# Altium PCB PCB_Amplifier.PcbDoc (part 2 of 2) (continued)
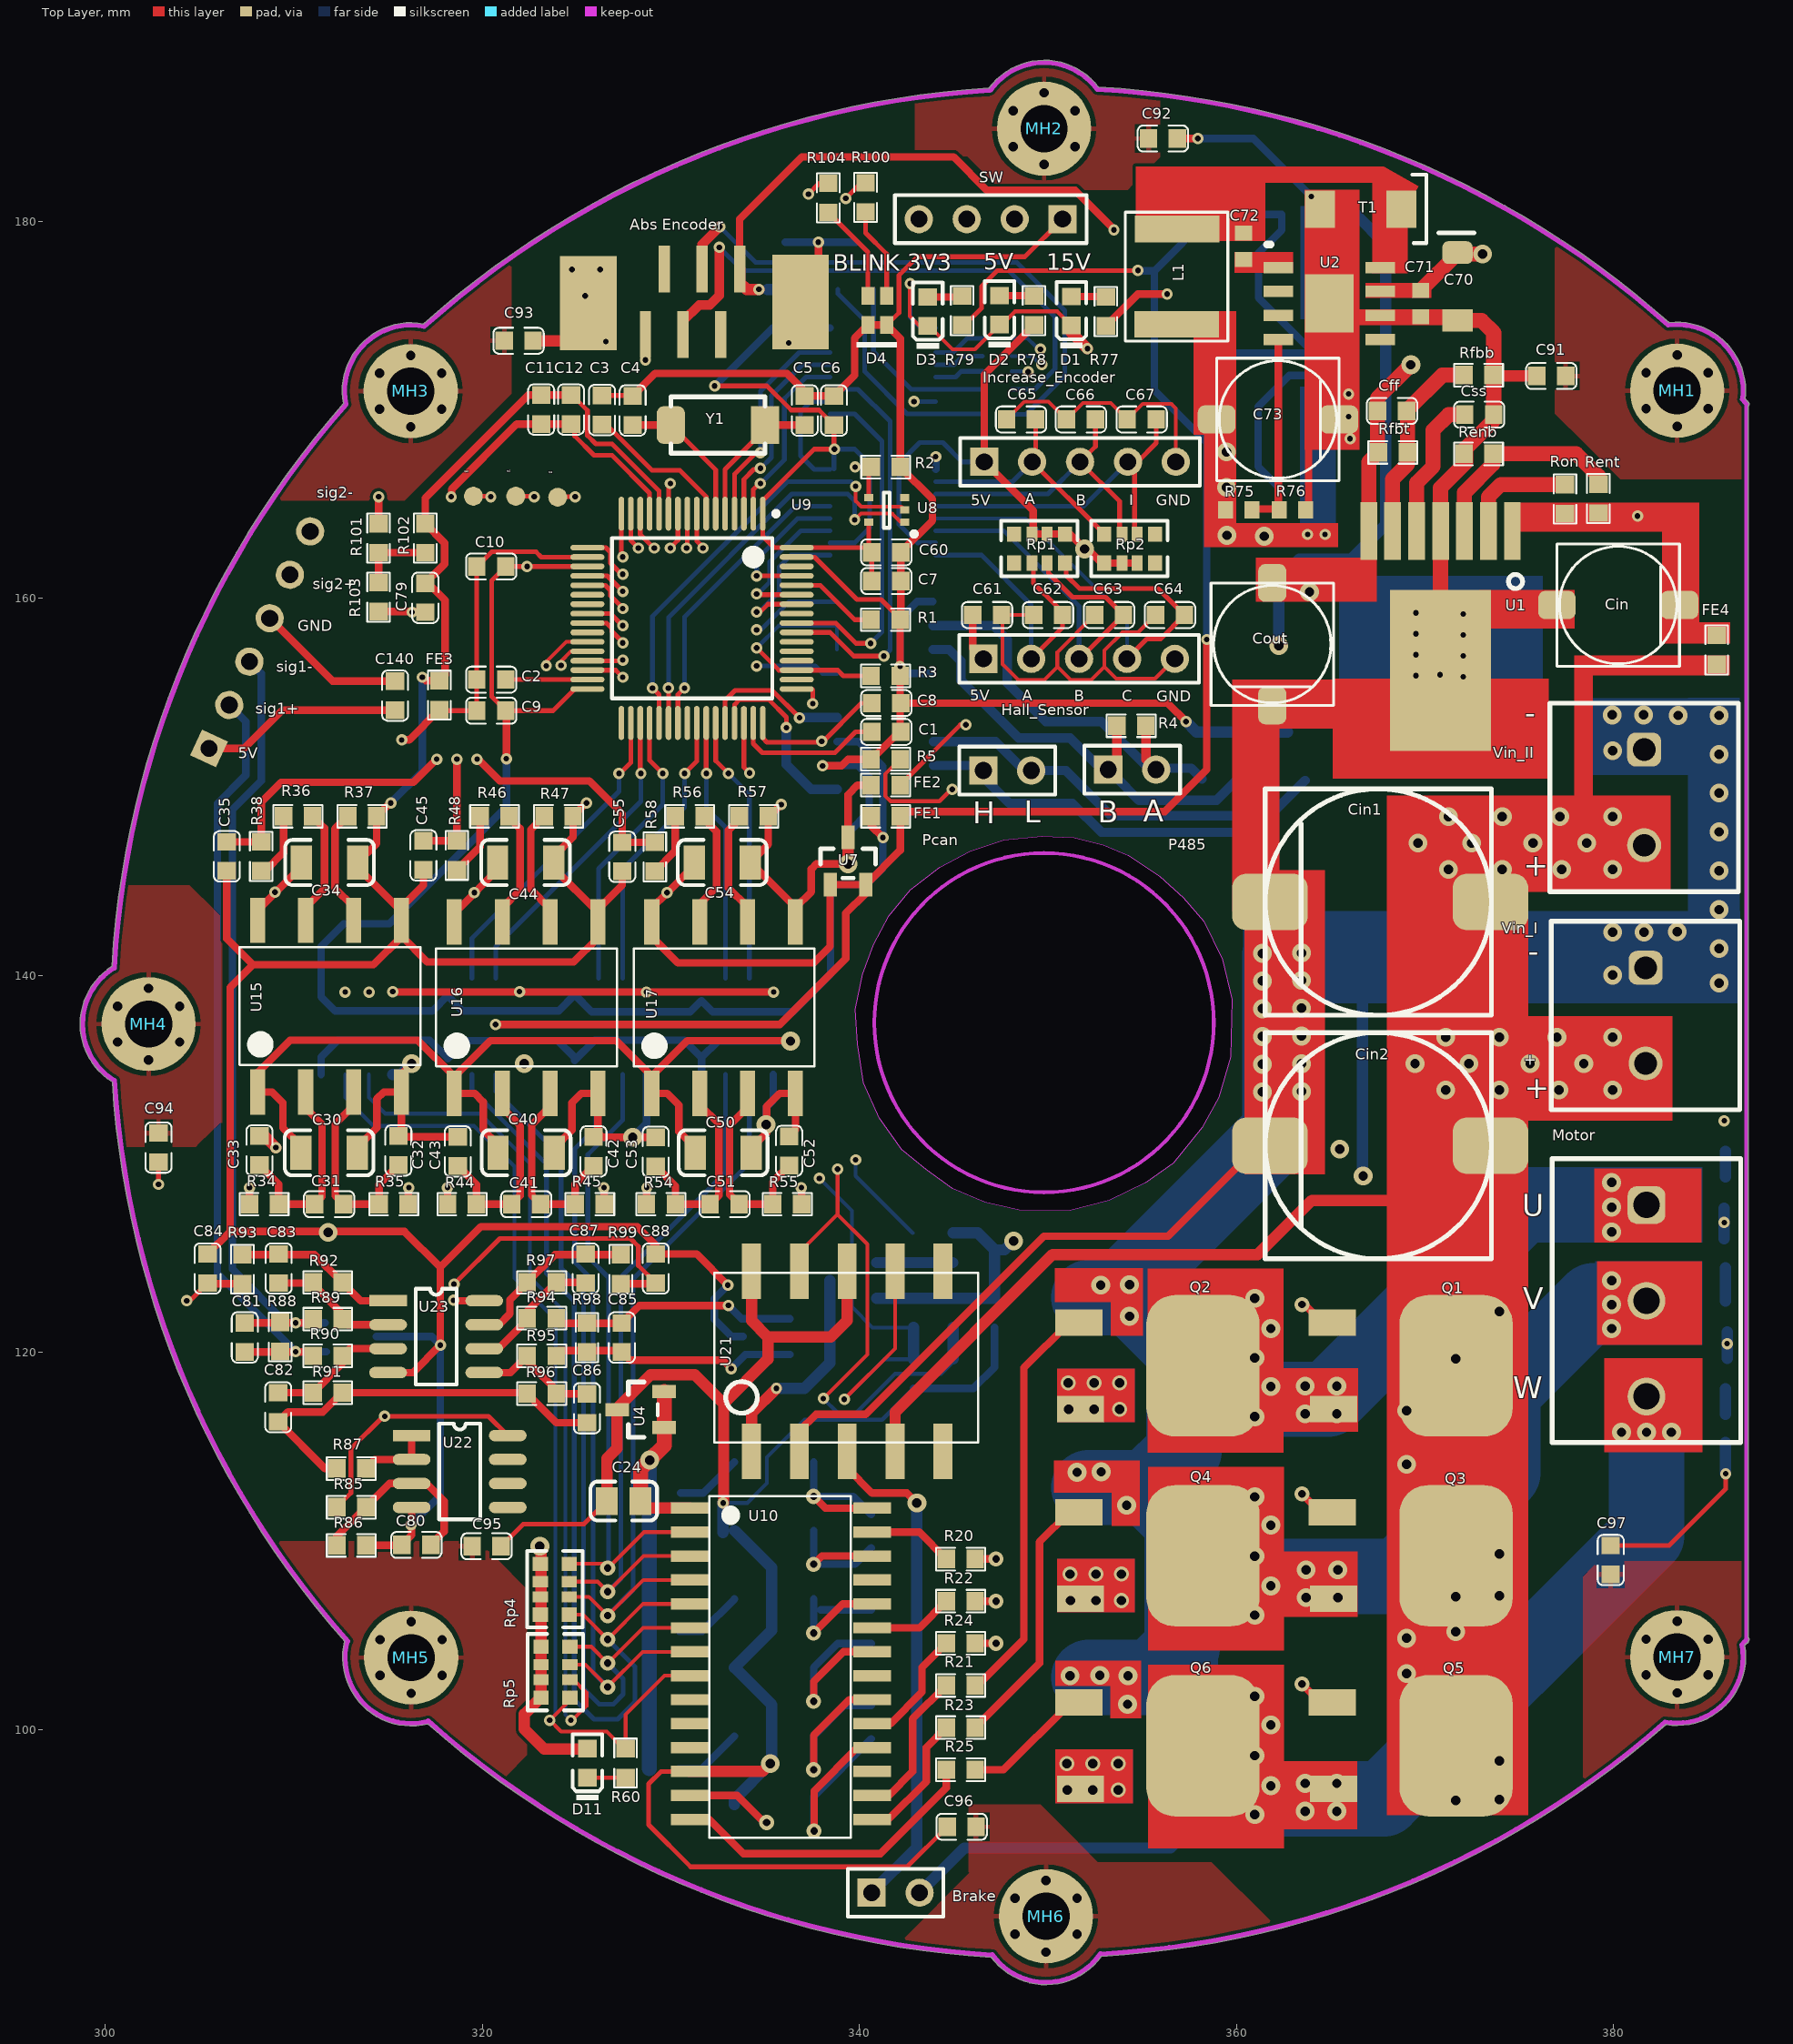
[diagram p0: Top Layer view]
## Nets (pads, with @x,y where several pads share a name; then routed paths per layer and width w, separated by ;. In a path a pad name is that pad's centre, name@x,y a point inside that pad or via, vN(x,y) a via of type N, cw(c..) or ccw(c..) an arc to the next point about the centre after c; other vN are vias at no path point) (continued)
NetR56_2: R56.2 R58.1 | length 3.4
  Top Layer w0.4: R58.1@329.15,145.53 330.23,146.61 R56.2@330.23,148.45
NetR57_1: R57.1 U17.6 | length 5.5
  Top Layer w0.4: R57.1@333.63,148.45 333.63,148.28 333.05,147.7 333.05,144.65 U17.6@334.07,143.63
NetR75_1: R75.1 R76.2 U2.4 | length 10.3
  Top Layer w0.4: R75.1@360.875,164.75 362.225,164.75 U2.4@362.225,173.745
NetR81_1: R81.1 U19.16 U20.2 | length 12.2
  Bottom Layer w0.25: U20.2@338.85,176.4 338.85,176.175 340.275,174.75 340.275,172.05 342.525,169.8 U19.16@344.05,169.8 R81.1@346.555,169.8
NetR87_1: R87.1 U22.1 U22.2 | length 3.9
  Top Layer w0.4: R87.1@313.82,113.85 314.3,114.33 U22.2@316.25,114.33 U22.1@316.25,115.6
NetR100_2: R100.2 U9.9 | length 26
  Top Layer w0.25: v1@330.875,162.675 U9.9@330.875,164.5 ; v1(339.275,181.225) 340.095,182.045 R100.2@340.325,182.045
  VDD w0.25: v1(330.837,162.675) 333.975,165.812 333.975,177.125 338.075,181.225 v1(339.275,181.225)
NetR101_1: R101.1 R102.2 R103.2 | length 4.1
  Top Layer w0.4: R103.2@314.5,160.845 R101.1@314.5,162.43 R102.2@316.975,162.43
NetR104_2: R104.2 U9.10 | length 25.1
  Top Layer w0.25: v1@329.975,162.7 330.375,163.1 U9.10@330.375,164.5 ; v1(337.3,181.45) 337.87,182.02 R104.2@338.35,182.02
  VDD w0.25: v1(329.975,162.675) 333.425,166.125 333.425,177.575 v1(337.3,181.45)
NetRenb_2: Renb.2 Rent.2 U1.3 | length 11.2
  Top Layer w0.8: U1.3@372.095,163.575 372.095,165.62 373.61,167.135 Renb.2@373.61,167.675 378.025,167.675 379.2,166.5 Rent.2@379.2,166.07
NetRon_2: Ron.2 U1.2 | length 6.1
  Top Layer w0.8: U1.2@373.365,163.575 373.365,165.39 374.02,166.045 Ron.2@377.425,166.045
NetRp3_1: Rp3.1 U19.14 U20.1 | length 9.9
  Bottom Layer w0.25: U20.1@340.75,176.4 340.75,173.1 342.75,171.1 U19.14@344.05,171.1 Rp3.1@346.53,171.1
NetRp3_2: Rp3.2 U19.13 | length 2.6
  Bottom Layer w0.25: U19.13@344.05,171.75 345.1,171.75 345.4,172.05 Rp3.2@346.53,172.05
NetRp3_3: Rp3.3 U19.12 | length 2.7
  Bottom Layer w0.25: U19.12@344.05,172.4 345.025,172.4 345.475,172.85 Rp3.3@346.53,172.85
NetRp3_4: Rp3.4 U19.11 | length 2.8
  Bottom Layer w0.25: U19.11@344.05,173.05 344.975,173.05 345.725,173.8 Rp3.4@346.53,173.8
Nettp3_1: tp3.1 U9.8 | length 10.6
  Top Layer w0.25: tp3.1@324.112,165.4 v1(324.925,165.4) ; U9.8@331.375,164.5 331.375,163.05 v1@331.7,162.725
  GND w0.25: v1(324.925,165.4) 326.675,163.65 330.725,163.65 v1(331.7,162.675)
NetU9_2: U9.2 U19.4 | length 9.7
  Top Layer w0.25: U9.2@334.375,164.5 334.375,165.775 v1@334.725,166.125
  Bottom Layer w0.25: v1(334.75,166.1) 334.765,166.1 336.025,167.36 336.025,170.6 337.175,171.75 U19.4@338.45,171.75
NetU9_3: U9.3 U19.5 | length 10.7
  Top Layer w0.25: U9.3@333.875,164.5 333.875,166.325 334.4,166.85 v1@334.625,166.85
  Bottom Layer w0.25: v1(334.75,166.913) 334.765,166.913 335.335,167.483 335.335,170.76 336.975,172.4 U19.5@338.45,172.4
NetU9_4: U9.4 U19.6 | length 11.7
  Top Layer w0.25: U9.4@333.375,164.5 333.375,166.6 334.45,167.675 v1@334.725,167.675
  Bottom Layer w0.25: v1(334.75,167.725) 334.75,171 336.8,173.05 U19.6@338.45,173.05
NetU9_27: U9.27 U14.2 | length 26.4
  Top Layer w0.2: v1@323.492,156.433 v1(323.391,156.433) 323.391,156.641 324.45,157.7 U9.27@325.575,157.7
  VDD w0.2: v1(312.725,139.125) 314.1,140.5 317.1,140.5 320.3,143.7 320.3,153.342 v1(323.391,156.433)
NetU9_28: U9.28 U14.3 | length 24.7
  Top Layer w0.2: v1(324.175,156.45) 324.175,156.675 324.7,157.2 U9.28@325.575,157.2
  VDD w0.2: v1(314,139.125) 314.95,140.075 317.184,140.075 320.66,143.551 320.66,152.875 324.175,156.39 v1(324.175,156.45)
NetU9_44: U9.44 U26.4 | length 8
  Top Layer w0.25: U9.44@332.875,153.4 332.875,154.6 333.4,155.125 335.375,155.125 v1(336.825,153.675)
  Bottom Layer w0.5: v1@336.835,153.685 U26.4@338.825,153.685
NetU9_45: U9.45 U26.1 | length 10
  Top Layer w0.25: U9.45@333.375,153.4 333.375,154.365 333.66,154.65 335.175,154.65 336.125,153.7 v1(336.125,153.15)
  Bottom Layer w0.5: v1(336.125,153.15) 336.125,151.2 337.45,149.875 U26.1@338.825,149.875
OPEN_SIG: C152.2 R73.1 Rp3.5 U21.7 | length 80.2
  Top Layer w0.2: v1(339.2,117.525) 341.895,120.22 U21.7@341.895,124.325
  VDD w0.2: v1(337.883,129.242) 337.883,131.433 334.055,135.261 334.055,145.898 342.72,154.563 342.72,168.594 342.715,168.599 345.301,171.185 346.725,171.185 348.765,173.225 v1(349.6,173.225)
  Bottom Layer w0.2: v1(337.883,129.242) 339.6,127.525 339.6,122.425 340.695,121.33 R73.1@342.875,121.33 ; v1(339.2,117.525) 341.32,119.645 C152.2@342.875,119.645 ; Rp3.5@348.07,173.8 348.925,173.8 v1@349.35,173.375
  Bottom Layer w0.6: C152.2@342.875,119.645 R73.1@342.875,121.33
REF_165: C82.1 C86.2 R87.2 R91.1 R96.2 | length 21.8
  Top Layer w0.4: R87.2@312.28,113.85 311.655,113.85 C82.1@309.175,116.33 309.695,116.85 311.545,116.85 R91.1@312.57,117.875 322.33,117.875 R96.2@322.38,117.825 323.925,116.28 C86.2@325.55,116.28
RS485_SIG: R3.1 U9.51 U27.2 U27.3 | length 13
  Top Layer w0.25: v1(334.55,157.38) 335.73,156.2 U9.51@336.675,156.2 338.85,156.2 339.15,155.9 340.7,155.9 R3.1@340.85,155.75
  Bottom Layer w0.2: v1(334.55,157.38) 335.735,158.565 U27.3@338.8,158.565 U27.2@338.8,157.295
SEN_1_RAW: Q2.3 R26.2 R54.1 | length 27.5
  Top Layer w0.4: R54.1@328.705,127.875 v1@328.705,128.73
  GND w0.4: v1(328.725,128.75) 335.4,128.75 341.8,122.35 347.125,122.35 v3(351.075,118.4)
  other v3: 351.1,117 352.45,117 353.8,117 352.45,118.4 353.8,118.4
SEN_2_RAW: Q4.3 R27.2 R44.1 | length 46.4
  Top Layer w0.4: R44.1@318.155,127.875 v1@318.155,128.745
  GND w0.4: v1(318.15,128.75) 319.337,127.563 319.426,127.474 319.992,126.908 320.275,126.625 334.375,126.625 340.6,120.4 345.925,120.4 349.15,117.175 349.15,111.825 351.175,109.8 v3(351.175,108.25)
  other v3: 351.2,106.85 352.55,106.85 353.9,106.85 352.55,108.25 353.9,108.25
SEN_3_RAW: Q6.3 R28.2 R34.1 | length 65.5
  Top Layer w0.4: R34.1@307.655,127.875 v1@307.655,128.745
  GND w0.4: v1(307.65,128.75) 311.575,124.825 333.3,124.825 339.575,118.55 345.325,118.55 347.475,116.4 347.475,111.45 349.05,109.875 349.05,101.225 351,99.275 v3(351,98.2)
  other v3: 351.025,96.8 352.375,96.8 353.725,96.8 352.375,98.2 353.725,98.2
SIG_1_+: "P torque.2" C81.1 R88.1 R90.1 U24.1 | length 42.2
  Top Layer w0.4: C81.1@307.4,120.035 R90.1@310.95,120.035
  Bottom Layer w0.4: 306.573,154.352 307.45,153.475 307.45,150.625 305.95,149.125 305.95,124.2 v1(310.1,120.05) U24.1@311.725,120.05
SIG_1_-: "P torque.3" C81.2 R88.2 R89.1 U24.2 | length 42.6
  Top Layer w0.4: C81.2@307.4,121.575 v1(310.1,121.575) R89.1@310.75,121.575
  Bottom Layer w0.4: 307.647,156.654 308.275,156.026 308.275,150.325 306.75,148.8 306.75,124.425 309.6,121.575 v1(310.1,121.575) U24.2@311.65,121.575
SIG_2_+: "P torque.5" C85.1 R95.2 R98.1 U25.2 | length 79.8
  Top Layer w0.4: R95.2@324.095,120.1 C85.1@327.37,120.1 ; C85.1@327.4,120.03 327.83,119.6 332.75,119.6 v1(333.2,119.15)
  GND w0.4: 309.794,161.258 310.925,160.127 310.925,136.9 306.175,132.15 306.175,127 314.025,119.15 v1(333.2,119.15)
  Bottom Layer w0.4: v1(333.2,119.15) 333.95,119.9 U25.2@336.325,119.9
SIG_2_-: "P torque.6" C85.2 R94.2 R98.2 U25.1 | length 81.8
  Top Layer w0.4: R94.2@323.92,121.55 C85.2@327.145,121.55 ; C85.2@327.4,121.57 328.33,122.5 v1(333.05,122.5)
  GND w0.4: 310.867,163.56 311.775,162.652 311.775,136.45 306.99,131.665 306.99,127.21 314.46,119.74 330.29,119.74 v1(333.05,122.5)
  Bottom Layer w0.4: v1(333.05,122.5) 333.75,121.8 U25.1@336.325,121.8
SPI1_CLK: U9.55 U19.3 | length 21.6
  Top Layer w0.25: U9.55@336.675,158.2 338.45,158.2 339.7,156.95 v1(341.3,156.95)
  Bottom Layer w0.25: U19.3@338.45,171.1 339.925,171.1 341.625,169.4 341.625,157.275 v1(341.3,156.95)
SPI1_MISO: U9.56 U19.1 | length 18.7
  Top Layer w0.25: U9.56@336.675,158.7 338.75,158.7 339.825,157.625 v1(340.6,157.625)
  Bottom Layer w0.25: U19.1@338.45,169.8 339.75,169.8 341.2,168.35 341.2,158.225 v1(340.6,157.625)
SPI1_MOSI: U9.57
SSI_CLK: "Abs Encoder.4" Rp3.8 | length 30.6
  Top Layer w0.5: 330.65,174 330.65,174.725 331.5,175.575 332.075,175.575 332.575,176.075 v1(332.575,178.625)
  Bottom Layer w0.25: v1(332.575,178.625) 333.8,177.4 347.9,177.4 350.375,174.925 350.375,172.175 349.3,171.1 Rp3.8@348.07,171.1
SSI_DATA: "Abs Encoder.3" R81.2 | length 29.9
  Top Layer w0.5: 331.65,177.475 331.65,178.775 v1(332.6,179.725)
  Bottom Layer w0.25: v1(332.6,179.725) 334.5,177.825 348.35,177.825 350.9,175.275 350.9,171.825 348.85,169.775 R81.2@348.12,169.775
SWCLK: SW.2 U9.49 | length 36.9
  Top Layer w0.25: U9.49@336.675,155.2 337.475,155.2 337.525,155.15 v1(337.525,154.425)
  VDD w0.25: v1(337.525,154.425) 337.525,168.275 344.488,175.238 cw(c344.781,174.944) 345.075,175.238 345.399,174.914 ccw(c345.841,175.355) 346.283,174.914 ccw(c345.841,175.355) 346.283,175.797 345.665,176.415 cw(c346.107,176.857) 345.665,177.299 cw(c346.107,176.857) 346.549,177.299 347.167,176.681 ccw(c347.609,177.123) 348.051,176.681 ccw(c347.609,177.123) 348.051,177.565 347.875,177.741 cw(c348.317,178.183) 347.875,178.625 348.235,178.985 SW.2@348.235,180.125
SWDIO: SW.3 U9.46 | length 36.9
  Top Layer w0.25: U9.46@333.875,153.4 333.875,151.05 v1(334.175,150.75)
  VDD w0.25: v1(334.175,150.75) 334.175,152.975 336.55,155.35 336.55,168.85 345.695,177.995 SW.3@345.695,180.125
TIM1_CH1: U9.41 U12.3 | length 15.2
  Top Layer w0.25: v1(330.73,150.725) 331.375,151.37 U9.41@331.375,153.4
  Bottom Layer w0.25: U12.3@327.44,139.85 327.44,145.64 330.73,148.93 v1(330.73,150.725)
TIM1_CH1N: U9.34 U13.2 | length 17.1
  Top Layer w0.25: v1@327.275,150.7 327.875,151.3 U9.34@327.875,153.4
  Bottom Layer w0.25: U13.2@319.445,139.85 319.445,141.97 327.25,149.775 v1(327.25,150.725)
TIM1_CH2: U9.42 U11.2 | length 13.9
  Top Layer w0.25: v1@331.875,150.775 U9.42@331.875,153.4
  Bottom Layer w0.25: v1(331.89,150.725) 331.89,148.86 332.895,147.855 U11.2@332.895,139.85
TIM1_CH2N: U9.35 U13.3 | length 16.7
  Top Layer w0.25: v1@328.375,150.8 U9.35@328.375,153.4
  Bottom Layer w0.25: U13.3@320.715,139.85 320.715,141.54 328.41,149.235 v1(328.41,150.725)
TIM1_CH3: U9.43 U11.3 | length 14.3
  Top Layer w0.25: U9.43@332.375,153.4 332.375,151.4 v1(333.05,150.725)
  Bottom Layer w0.25: v1(333.05,150.725) 334.165,149.61 U11.3@334.165,139.85
TIM1_CH3N: U9.36 U12.2 | length 15.2
  Top Layer w0.25: U9.36@328.875,153.4 328.875,151.42 v1(329.57,150.725)
  Bottom Layer w0.25: U12.2@326.17,139.85 326.17,145.67 329.57,149.07 v1(329.57,150.725)
TIM3_CH1: U8.2 U9.37 U18.7 | length 23.2
  Top Layer w0.2: v1(339.8,165.95) 339.8,165.175 340.1,164.875 342.225,164.875 U8.2@342.4,164.7
  Top Layer w0.25: v1(329.025,155.25) 329.375,154.9 U9.37@329.375,153.4
  Bottom Layer w0.25: v1(329.025,155.25) 329.025,159.05 336.175,166.2 U18.7@338.45,166.2 339.55,166.2 v1(339.8,165.95)
TIM3_CH2: U8.1 U9.38 U18.6 | length 22.3
  Top Layer w0.2: v1(339.75,164.175) 340.085,164.51 341.737,164.51 342.197,164.05 U8.1@342.4,164.05
  Top Layer w0.25: U9.38@329.875,153.4 v1(329.875,155.25)
  Bottom Layer w0.25: v1(329.875,155.25) 329.875,159 336.425,165.55 U18.6@338.45,165.55 339.373,165.55 339.558,165.365 339.56,165.365 339.75,165.175 v1(339.75,164.175)
TIM3_CH3: U9.39 U18.5 | length 15.9
  Top Layer w0.25: U9.39@330.375,153.4 330.375,154.9 v1(330.725,155.25)
  Bottom Layer w0.25: v1(330.725,155.25) 330.725,159.025 336.6,164.9 U18.5@338.45,164.9
TIM4_CH1: U9.58 U18.1 | length 8.3
  Top Layer w0.25: v1@334.6,159.15 335.15,159.7 U9.58@336.675,159.7
  Bottom Layer w0.25: v1@334.55,159.15 335.75,160.35 335.75,161.675 336.375,162.3 U18.1@338.45,162.3
  other v1: 334.55,159.29
TIM4_CH2: U9.59 U18.3 | length 8.1
  Top Layer w0.25: v1@334.55,160.2 U9.59@336.675,160.2
  Bottom Layer w0.25: v1@334.55,160.175 335.25,160.875 335.25,161.95 336.9,163.6 U18.3@338.45,163.6
  other v1: 334.55,160.245
TIM4_CH3: U9.61 U18.4 | length 7.8
  Top Layer w0.25: v1@334.575,161.2 U9.61@336.675,161.2
  Bottom Layer w0.25: v1(334.55,161.2) 334.55,162.075 336.725,164.25 U18.4@338.45,164.25
TIM5_CH1: R2.2 U8.4 U9.14 | length 17.5
  Top Layer w0.25: U9.14@328.375,164.5 328.375,163.4 328.515,163.26 328.517,163.26 328.86,162.917 328.86,162.915 329.1,162.675 v1(329.125,162.675) ; v1(339.775,166.975) R2.2@340.63,166.975 ; U8.4@340.5,165.35 R2.2@340.5,166.845
  GND w0.25: v1(329.125,162.675) 329.8,162 332.05,162 337.025,166.975 v1(339.775,166.975)
U_COIL: C21.2 Co1.2 Co2.2 D6.2 Motor.1 Q1.3 Q2.2 U10.26 | length 81.3
  Top Layer w0.4: v4(337.575,108.775) 338.01,109.21 U10.26@340.675,109.21
  VDD w0.4: v4(337.575,108.775) 338.325,108.025 347.475,108.025 349.2,109.75 349.2,113.7 350.975,115.475 355.9,115.475
  VDD w4: 361.325,117.55 364.825,117.55 375.105,127.83 Motor.1@381.75,127.83
  Bottom Layer w0.4: D6.2@337.575,110.565 v4(337.575,108.775) 339.765,108.775 C21.2@340.625,109.635
  Bottom Layer w4: 361.925,117.525 364.85,117.525 375.155,127.83 Motor.1@381.75,127.83
  other v2: 360.975,116.6 363.65,116.75 365.325,116.75 361.825,118.2 363.65,118.225 365.325,118.225 360.975,119.725 361.825,121.275 360.975,122.875 379.9,126.4 379.9,127.713 379.9,129.025
USART3_RX: U9.30 U27.1 | length 13.7
  Top Layer w0.25: U9.30@325.575,156.2 327.075,156.2 v1(327.45,155.825)
  VDD w0.25: v1(327.45,155.825) 328.05,156.425 v1(334.55,156.425)
  Bottom Layer w0.25: v1@334.6,156.425 337.65,156.425 338.05,156.025 U27.1@338.8,156.025
USART3_TX: U9.29 U27.4 | length 14.1
  Top Layer w0.25: U9.29@325.575,156.7 327.125,156.7
  VDD w0.25: v1(327.45,156.736) 327.764,157.05 333.265,157.05 v1(334.55,158.335)
  Bottom Layer w0.25: v1@334.7,158.275 336.26,159.835 U27.4@338.8,159.835
V_COIL: C22.2 Co3.2 Co4.2 D8.2 Motor.2 Q3.3 Q4.2 U10.22 | length 85.1
  Top Layer w0.4: v4(337.575,101.5) 337.575,102.55 339.155,104.13 U10.22@340.675,104.13
  VDD w0.4: v4(337.575,101.5) 341.6,105.525 356.55,105.525
  VDD w4: 364.175,107.95 368.425,107.95 374.175,113.7 374.175,117.925 379,122.75 Motor.2@381.75,122.75
  Bottom Layer w0.4: v4(337.575,101.5) D8.2@337.575,103.295 338.853,104.572 C22.2@340.625,104.572
  Bottom Layer w4: 362.275,108.125 368.625,108.125 374.125,113.625 374.125,117.95 378.925,122.75 Motor.2@381.75,122.75
  other v2: 360.975,106.075 363.7,107 365.375,107 361.825,107.625 363.7,108.475 365.375,108.475 360.975,109.2 361.825,110.85 360.975,112.35 379.9,121.275 379.9,122.55 379.9,123.825
VIN: Cin.2 FE4.1 R101.2 Rent.1 Ron.1 U1.1 | length 84.4
  Top Layer w0.4: R101.2@314.5,163.97 v1(314.5,165.4)
  GND w0.4: v1@314.775,165.4 316.375,165.4 333.55,182.575 347.025,182.575 347.95,181.65 351.825,181.65 352.95,182.775 364.325,182.775 381.275,165.825 v1(381.275,164.375)
VIN: Cin1.1 Cin2.1 FE4.2 Q1.2 Q3.2 Q5.2 U21.4 Vin_I.2 Vin_II.2 | length 34.3
  Top Layer w0.6: U21.4@341.895,114.765 341.895,116.845 350.25,125.2 361.125,125.2 364,128.075 369.5,128.075
  other v2: 371.625,96.25 373.95,96.3 373.95,98.35 369.025,102.975 369.025,104.85 371.625,105.2 371.625,107.05 373.95,107.1 373.95,109.325 369.025,114.075 369.025,116.925 371.625,119.675 373.95,122.175 371.1,133.925 373.95,133.925 377.1,133.925 379.95,133.925 369.475,135.325 372.325,135.325 375.575,135.325 378.425,135.325 371.1,136.725 373.95,136.725 377,136.725 379.95,136.725 371.25,145.625 374.1,145.625 377.25,145.625 379.95,145.625 369.625,147.025 372.475,147.025 375.725,147.025 378.575,147.025 371.25,148.425 374.1,148.425 377.15,148.425 379.95,148.425
W_COIL: C23.2 Co5.2 Co6.2 D10.2 Motor.3 Q5.3 Q6.2 U10.18 | length 94
  Top Layer w0.4: v4(337.6,94.625) 337.6,96.75 339.9,99.05 U10.18@340.675,99.05
  VDD w0.4: v4(337.6,94.625) 356.225,94.625
  VDD w4: 364.325,96.25 367.7,96.25 381.75,110.3 Motor.3@381.75,117.67
  Bottom Layer w0.4: v4(337.6,94.625) 337.575,94.65 D10.2@337.575,96.025 337.575,96.46 C23.2@340.625,99.51
  Bottom Layer w4: 362.45,96.325 367.8,96.325 381.75,110.275 Motor.3@381.75,117.67
  other v2: 360.975,95.5 363.65,95.675 365.325,95.675 361.825,97.025 363.65,97.15 365.325,97.15 360.975,98.625 361.825,100.25 360.975,101.775 380.425,115.775 381.75,115.775 383.075,115.775
pads on no net: "Abs Encoder.2" "Abs Encoder.5" Rp1.1 Rp1.8 Rp2.1 Rp2.8 U2.2 U2.3 U2.5 U9.33 U9.40 U9.50 U9.52 U9.53 U9.54 U9.62 U10.9 U10.10 U10.11 U10.17 U10.21 U10.25 U19.7 U19.10 U21.5 U21.6 U22.5 U22.6 U22.7 U26.5

## Polygon pours and split planes (outlines as drawn)
NetC97_2 on Top Layer "top_hole_7" (solid, remove dead copper, pour order 27): 378.375,95 378.375,108.125 378.925,108.675 379.175,108.925 389.275,108.925 389.275,101.6 390.375,100.5
NetC96_2 on Top Layer "top_hole_6" (solid, remove dead copper, pour order 25): 340.8,87.2 340.8,87.35 345.85,92.4 345.8,92.45 345.8,96.025 349.6,96.025 351.75,93.875 352.65,92.975 357.775,92.975 358.675,92.975 363.175,88.475 358.375,83.675 347.775,83.675
NetC95_2 on Top Layer "top_hole_5" (solid, remove dead copper, pour order 19): 307.55,109.075 308.475,110 308.6,110 319.825,110 320.125,109.7 322.375,107.45 322.375,99.7 322.375,98.65 319.6,95.875 318.4,97.075 307.125,97.075
NetC94_2 on Top Layer "top_hole_4" (solid, remove dead copper, pour order 17): 296.55,144.603 296.725,144.775 304.425,144.775 304.475,144.775 305.8,143.476 306.2,143.084 306.2,132.2 306.1,132.2 304.975,131.097 304.8,130.925 298.875,130.925 298.675,130.925 294.9,134.627
NetC93_2 on Top Layer "top_hole_3" (solid, remove dead copper, pour order 12): 321.575,178.9 321.55,178.875 321.55,170.875 315.975,165.3 315.875,165.2 309.6,165.2 308.25,165.2 306.5,166.95 310.55,171 310.55,176.05
NetC92_2 on Top Layer "top_hole_2" (solid, remove dead copper, pour order 10): 343,187.85 342.95,187.8 342.95,183.45 345.725,183.45 345.75,183.425 347.525,181.65 351.45,181.65 351.475,181.675 353.85,181.675 354.225,181.675 355.325,182.775 355.95,183.4 355.95,187.4 352.325,191.025
NetC91_2 on Top Layer "top_hole_1" (solid, remove dead copper, pour order 4): 376.925,179.95 376.9,179.925 376.9,170.075 376.9,169.8 378.475,168.225 380.375,166.325 387.875,166.325 387.875,175.25 384.875,178.25
NetC97_2 on Bottom Layer "btm_hole_7" (solid, remove dead copper, pour order 29): 378.225,95.825 378.15,95.89 378.15,106.826 378.15,106.976 380.1,108.656 380.5,109 389.575,109 389.575,98.602 388.575,97.741
NetC96_2 on Bottom Layer "btm_hole_6" (solid, remove dead copper, pour order 23): 341.1,85.7 341.1,87.575 346.675,93.15 346.725,93.2 353.625,93.2 354.45,93.2 359.65,88 359.7,87.95 359.7,84.5
NetC95_2 on Bottom Layer "btm_hole_5" (solid, remove dead copper, pour order 21): 308.05,109.85 319.925,109.85 322.375,107.4 322.5,107.275 322.5,97.95 322.5,97.775 319.875,95.15 317.45,97.575 309.075,97.575
NetC94_2 on Bottom Layer "btm_hole_4" (solid, remove dead copper, pour order 15): 299.675,144.85 304.325,144.85 305.775,143.4 306.375,142.8 306.375,134.75 306.375,133.45 304.575,131.65 304.2,131.275 296.425,131.275 296.425,143.5 297.125,144.2
NetC93_2 on Bottom Layer "btm_hole_3" (solid, remove dead copper, pour order 14): 308.05,165.175 315.95,165.175 321.725,170.95 321.7,170.975 321.7,179.925 312.025,179.925 306.8,174.7
NetC92_2 on Bottom Layer "btm_hole_2" (solid, remove dead copper, pour order 8): 342.95,189.775 342.95,183.525 342.95,183.375 345.817,181.475 345.93,181.4 353.21,181.4 353.436,181.4 355.397,182.7 355.85,183 355.85,188.075 355.85,189.575 355.133,190.05
NetC91_2 on Bottom Layer "btm_hole_1" (solid, remove dead copper, pour order 6): 376.875,179.975 376.875,169.3 376.9,169.3 379.7,166.5 380,166.2 389.775,166.2 389.775,174.85 389.725,174.9

## Keep-outs
Keep-Out Layer:
  circle w0.2: c349.794,137.5 r9
  lines w0.2: 387.048,104.68 387.048,170.379
  lines w0.254: 300.45,140.396 ccw(c302.3,137.425) 300.47,134.442 ; 300.483,140.397 cw(c349.925,137.55) 312.775,170.3 ; 300.498,134.443 ccw(c349.925,137.55) 312.871,104.692 ; 312.77,170.304 cw(c316.2,171) 316.923,174.424 ; 312.836,104.701 ccw(c316.225,103.825) 317.127,100.443 ; 316.92,174.428 cw(c349.941,137.519) 346.92,186.951 ; 317.121,100.467 ccw(c350.02,137.484) 347.047,88.049 ; 346.969,186.984 cw(c349.8,184.925) 352.606,187.017 ; 347.048,88.071 ccw(c349.9,90.1) 352.789,88.124 ; 352.605,187.002 cw(c349.925,137.55) 382.905,174.496 ; 352.79,88.104 ccw(c349.983,137.549) 382.736,100.402 ; 382.728,100.41 ccw(c383.375,103.85) 386.815,104.495 ; 382.902,174.493 cw(c383.375,171.025) 386.847,170.581 ; 386.801,104.492 ccw(c349.925,137.55) 387.063,104.787 ; 386.835,170.57 cw(c349.925,137.55) 387.063,170.313

## Other copper
Top Layer:
  region net NetC72_1: 367.26,181.946 369.104,180.881 369.669,181.86 367.825,182.925
  rectangle net 5V: 358.275,162.725 365.4,164
  rectangle net A_GND: 350.4,102.325 354.95,103.675
  rectangle net A_GND: 353.3,100.6 354.95,103.425
  rectangle net A_GND: 353.375,110.8 354.875,114.275
  rectangle net A_GND: 350.325,112.575 354.875,114.275
  rectangle net A_GND: 350.375,122.675 354.8,124.475
  rectangle net A_GND: 353.325,120.9 355.05,124.475
  rectangle net VIN: 370.65,132.3 383.125,137.85
  rectangle net VIN: 367.975,95.45 375.475,145
  rectangle net VIN: 367.975,144.425 383.025,149.55
  rectangle net SEN_3_RAW: 350.4,96.1 354.525,98.95
  rectangle net W_COIL: 355.625,94.725 366.4,98.325
  rectangle net V_COIL: 357.325,105.975 366.425,109.45
  rectangle net U_COIL: 356.9,115.8 366.45,119.175
  rectangle net A_GND: 360.425,129.45 364.7,145.6
  region net A_GND: 365.1,155.75 365.1,150.45 376.575,150.45 376.575,155.75
  rectangle net SEN_2_RAW: 350.475,106.225 354.6,109.075
  rectangle net SEN_1_RAW: 350.475,116.3 354.6,119.15
  rectangle net W_COIL: 355.3,93.7 362.525,103.45
  rectangle net V_COIL: 355.3,104.2 362.525,113.95
  rectangle net U_COIL: 355.275,114.7 362.5,124.45
  rectangle net W_COIL: 379.5,114.725 384.725,119.7
  rectangle net V_COIL: 379.125,120.4 384.7,124.85
  rectangle net U_COIL: 378.975,125.825 384.675,129.775
  rectangle net A_GND: 363.6,167.875 366.525,181.675
  rectangle net NetC72_1: 354.65,178.95 361.525,182.9
  rectangle net NetC72_1: 354.65,182.05 367.825,182.925
  rectangle net NetC72_1: 367.2,177.25 369.075,182.125
  rectangle net 15V: 366.85,175.95 370.35,176.75
  rectangle net A_GND: 365.925,174.5 372.5,175.35
  rectangle net 5V: 357.725,168.675 360,175.25
  rectangle net 5V: 358.275,162.825 360,169.5
  rectangle net A_GND: 359.775,153.1 366.35,155.7
  rectangle net A_GND: 372.875,158.4 377.95,160.45
  rectangle net VIN: 374.35,163.55 384.525,165.1
  rectangle net VIN: 382.575,157.6 384.55,165.1
  rectangle net A_GND: 359.775,143.425 362.275,155.575
  rectangle net VIN: 377.925,155.925 386.175,156.975
  rectangle net VIN: 377.925,149.225 378.9,156.975
  rectangle net 15V: 361.025,159.825 367.45,162.175
  rectangle net NetC72_2: 359.9,177.275 363,178.375
  rectangle net VIN: 382.575,157.6 386.2,158.75
GND:
  rectangle net A_GND: 378.175,150.575 386.725,154.725
  rectangle net A_GND: 383.7,131.7 386.725,154.725
  rectangle net A_GND: 360.35,131.525 364.7,143.425
  rectangle net V_COIL: 379.225,120.4 384.625,124.75
  rectangle net U_COIL: 378.9,125.8 384.875,129.825
  rectangle net VIN: 367.975,95.45 375.45,148.575
  rectangle net VIN: 367.975,144.45 383,149.55
  rectangle net VIN: 368.975,132.425 383.1,137.825
  rectangle net A_GND: 385.25,112.35 386.725,132.85
VDD:
  rectangle net U_COIL: 355.5,115.1 362.5,124.025
  rectangle net V_COIL: 355.625,105.95 366.575,109.925
  rectangle net V_COIL: 355.5,105.275 362.575,113.15
  rectangle net W_COIL: 355.575,94.25 366.4,98.275
  rectangle net W_COIL: 355.575,95.625 362.525,102.5
  rectangle net A_GND: 360.45,138.5 386.725,143.45
  rectangle net A_GND: 383.05,138.5 386.725,154.725
  rectangle net A_GND: 378.125,150.525 386.725,154.725
  rectangle net A_GND: 360.45,129.525 364.625,143.45
Bottom Layer:
  rectangle net A_GND: 378.175,138.525 386.225,143.4
  rectangle net A_GND: 383.95,138.525 386.7,154.75
  rectangle net A_GND: 378.175,150.625 386.225,154.725
  region net A_GND: 365.45,161.2 365.45,154.275 376.25,154.275 376.25,161.2
  rectangle net SEN_3_RAW: 350.4,96.1 354.525,98.95
  rectangle net SEN_1_RAW: 350.475,116.3 354.6,119.15
  rectangle net SEN_2_RAW: 350.475,106.225 354.6,109.075
  rectangle net W_COIL: 379.525,114.725 384.7,119.7
  rectangle net V_COIL: 379.025,120.4 384.725,124.85
  rectangle net U_COIL: 379,125.825 384.725,129.85
  rectangle net U_COIL: 380.3,125.85 383.275,129.5
  region net 3V3_A_GND: 365.4,174.8 365.4,180.825 363.4,180.825 363.4,174.8
  region net 5V: 365.275,162.75 365.275,171.25 363.375,171.25 363.375,162.75
  rectangle net A_GND: 360.35,138.525 386.725,143.425
  rectangle net U_COIL: 360,114.8 362.425,124.4
  rectangle net V_COIL: 359.925,104.275 362.375,113.85
  rectangle net W_COIL: 359.925,93.85 362.4,103.3

## Silkscreen, mask and mechanical layers (free items; w line width, h text height)
Top Overlay:
  text "5V" at 346.6,177.175 h1.5
  text "15V" at 349.925,177.15 h1.5
  text "3V3" at 342.525,177.125 h1.5
  text "BLINK" at 338.6,177.1 h1.5
  text "sig2-" at 311.225,165.15 h1
  text "A" at 348.775,164.8 h1
  text "I" at 354.3,164.775 h1
  text "5V" at 345.925,164.75 h1
  text "B" at 351.475,164.75 h1
  text "GND" at 355.725,164.75 h1
  text "sig2+" at 311,160.3 h1
  text "GND" at 310.2,158.075 h1
  text "sig1-" at 309.075,155.9 h1
  text "5V" at 345.875,154.4 h1
  text "A" at 348.65,154.4 h1
  text "B" at 351.4,154.375 h1
  text "C" at 353.925,154.375 h1
  text "GND" at 355.75,154.35 h1
  text "sig1+" at 307.975,153.7 h1
  text "-" at 375.3,153 h2
  text "5V" at 307.05,151.325 h1
  text "A" at 355.05,147.775 h2
  text "L" at 348.725,147.725 h2
  text "B" at 352.65,147.725 h2
  text "H" at 346,147.675 h2
  text "+" at 375.225,144.9 h2
  text "-" at 375.475,140.35 h2
  text "+" at 375.25,135.066 h1
  text "+" at 375.275,133.1 h2
  text "U" at 375.15,126.85 h2
  text "V" at 375.2,121.925 h2
  text "W" at 374.675,117.175 h2
Top Paste:
  region: 365.1,155.75 365.1,150.45 376.575,150.45 376.575,155.75
  rectangle: 355.575,94.175 362.35,103.025
  rectangle: 368.375,95.525 375.15,103.525
  rectangle: 355.55,104.65 362.325,113.5
  rectangle: 355.55,115.2 362.325,124.05
  rectangle: 368.3,104.875 375.075,112.875
  rectangle: 368.275,115.425 375.05,123.425
Top Solder:
  rectangle: 368.625,96.625 374.675,149.275
Bottom Solder:
  rectangle: 360.125,114.95 362.325,124.275
  rectangle: 360.075,104.375 362.325,113.75
  rectangle: 360,93.925 362.4,103.3
  rectangle: 374.225,125.975 383.475,129.6
  rectangle: 362.25,115.7 365.525,119.375
  rectangle: 362.275,106.3 369.35,109.95
  rectangle: 362.3,94.5 368.35,98.125
  rectangle: 379.8,109.975 383.7,119.35
  rectangle: 378.1,120.5 383.7,124.6
  rectangle: 372.325,112.75 375.925,118.8
  region: 365.57,115.653 376.791,126.858 374.146,129.506 362.925,118.302
  region: 369.388,106.262 375.9,112.775 373.262,115.413 366.75,108.9
  region: 374.988,116.137 380.763,121.913 378.125,124.55 372.35,118.775
  region: 368.356,94.542 383.742,109.907 381.301,112.351 365.915,96.986
  rectangle: 383.957,138.5 386.707,154.725
  rectangle: 360.357,138.5 386.732,143.4
  rectangle: 378.825,150.5 386.707,154.725
  lines w4: 352.15,102.775 355.518,102.775 357.101,104.358 357.101,111.017 355.268,112.85 352.15,112.85 ; 352.181,122.892 353.474,122.892 362.307,131.725 362.307,141.075 ; 354.415,122.892 357.232,120.075 357.232,114.75 355.299,112.817